# Altium PCB DCI_MB1137_Original.PcbDoc (part 2 of 4) (continued)
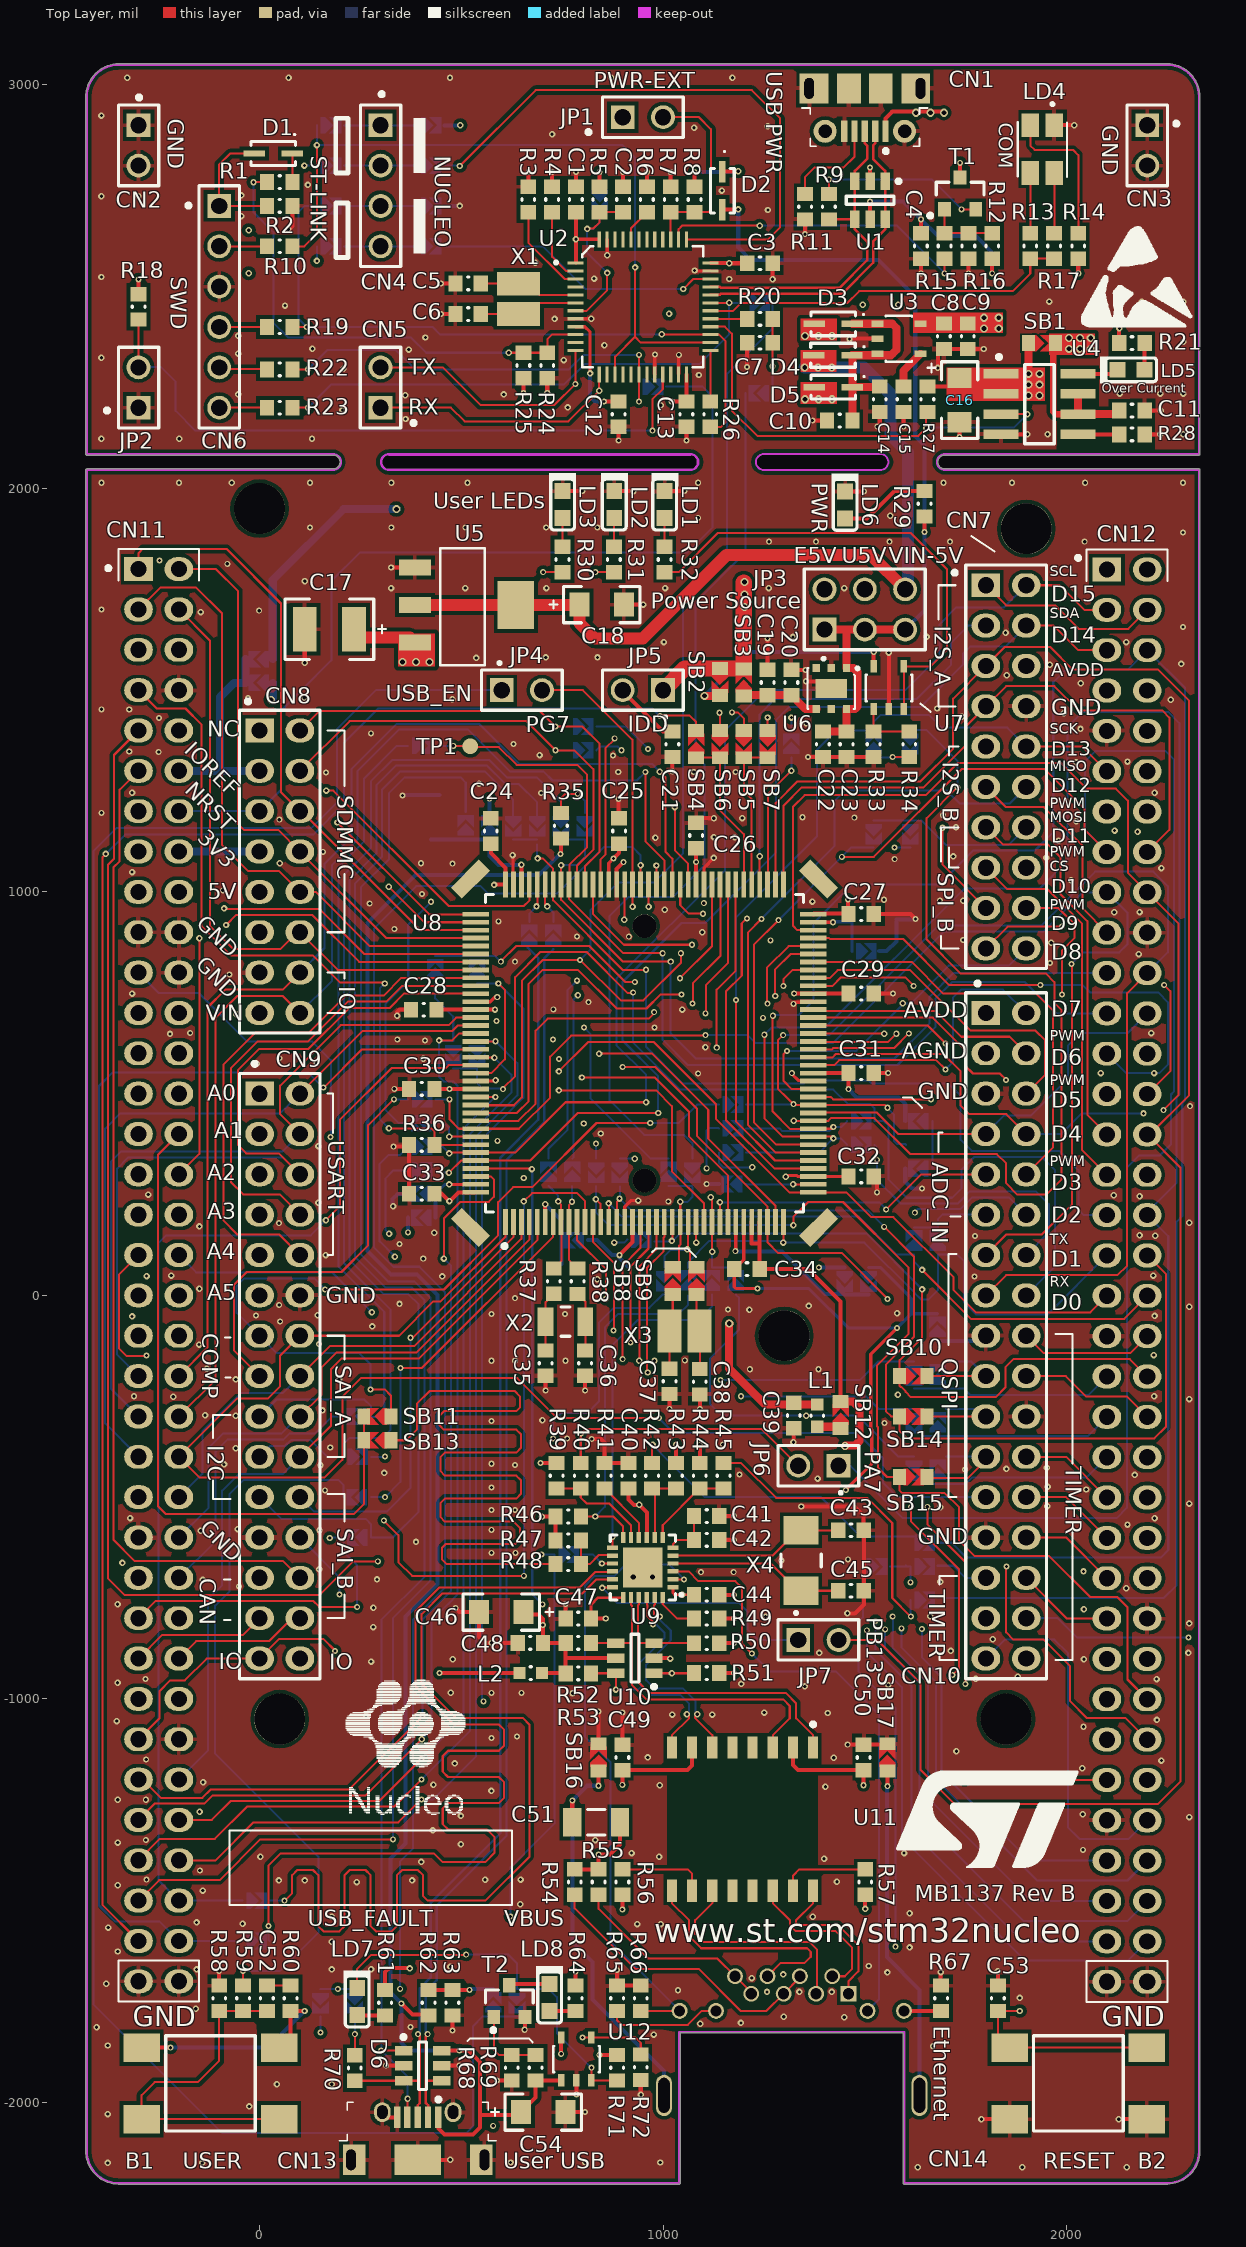
[diagram p0: Top Layer view]
## Nets (pads, with @x,y where several pads share a name; then routed paths per layer and width w, separated by ;. In a path a pad name is that pad's centre, name@x,y a point inside that pad or via, vN(x,y) a via of type N, cw(c..) or ccw(c..) an arc to the next point about the centre after c; other vN are vias at no path point) (continued)
  other v2: 702,-817
NetC45_1: C45.1 U9.4 X4.2 | length 451.9
  Top Layer w5: U9.4@1024.8,-664.47 1267.21,-664.47 1334.54,-731.8 X4.2@1342,-731.8 ; X4.2@1324.8,-731.8 1333,-731.8 1333.2,-732 C45.1@1431.55,-732
NetC51_2: C51.2 R54.1 R55.1 R56.1 R57.1 | length 285.4
  Top Layer w10: R54.1@781,-1422.5 R55.1@840.33,-1422.5 v2(840.33,-1386) 868.07,-1386 893.06,-1361.02 C51.2@893.06,-1306 ; v2(899,-1522) R56.1@899,-1485.5 ; v1(1501,-1520.5) R57.1@1501,-1485.5
NetC52_1: C52.1 R60.2 | length 59
  Top Layer w5: C52.1@18,-1710.5 R60.2@77,-1710.5
NetC54_1: C54.1 CN13.1 D6.6 R35.1 R62.1 R68.1 U12.1 | length 4440.2
  Top Layer w10: v2(351.25,-1755) 378.91,-1782.66 417.16,-1782.66 R62.1@419,-1784.5 ; CN13.1@443.18,-2037 443.18,-2064.18 458.4,-2079.4 529,-2079.4 546,-2062.4 546,-2031 ; D6.6@451.24,-1871.6 v2(495,-1871.6) 517.6,-1871.6 546,-1900 546,-2031 ; v2(746.14,1094) 747,1094.86 R35.1@747,1132.5 ; U12.1@747.6,-1945.15 747.25,-1945.5 R68.1@684,-1945.5 684,-1988 C54.1@648,-2024 641,-2031 546,-2031
  Bottom Layer w10: v2(495,-1871.6) 369.85,-1871.6 351.25,-1853 v2(351.25,-1755) 324.1,-1727.85 324.1,-1395.9 361.5,-1358.5 361.5,-795.27 441.5,-715.27 441.5,0.75 390.08,52.17 325.46,52.17 267.4,110.23 267.4,923.4 386,1042 692.02,1042 744.02,1094 v2(746.14,1094)
NetC55_1: C55.1 SB123.1 SB124.1 U8.106 | length 323.1
  Top Layer w10: U8.106@648.88,1018.31 v1(648.88,1067.12)
  Bottom Layer w10: C55.1@425,1130 510.75,1130 SB123.1@511,1130.25 SB124.1@570,1130.25 570,1089 591.88,1067.12 v1(648.88,1067.12)
NetC56_1: C56.1 SB129.1 U8.71 | length 169.8
  Top Layer w8: U8.71@1372.31,924.8 v2(1420.9,924.8)
  Bottom Layer w8: v2(1420.9,924.8) 1422.09,926 1468.5,926 1468.5,853.25 SB129.1@1468.25,853
NetCN1_4: CN1.4 R11.1 | length 248.4
  Top Layer w5: R11.1@1352,2729.5 1352,2771.94 1375.06,2795 1447,2795 1474.41,2822.41 CN1.4@1474.41,2885
NetCN4_1: CN4.1 SB101.2 SB102.1 | length 180.5
  Bottom Layer w5: SB101.2@209.75,2900 CN4.1@300,2900 SB102.1@390.25,2900
NetCN4_2: CN4.2 SB103.2 SB104.1 | length 180.5
  Bottom Layer w5: SB103.2@209.75,2800 SB104.1@390.25,2800
NetCN4_3: CN4.3 SB105.2 SB106.1 | length 180.5
  Bottom Layer w5: SB105.2@209.75,2700 CN4.3@300,2700 SB106.1@390.25,2700
NetCN4_4: CN4.4 SB108.2 SB109.1 | length 180.5
  Bottom Layer w5: SB108.2@209.75,2600 CN4.4@300,2600 SB109.1@390.25,2600
NetCN5_1: CN5.1 SB5.1 U2.13 | length 1790
  Top Layer w5: CN5.1@299.69,2200 474,2200 508,2166 765.46,2166 v1(841.73,2242.27) U2.13@841.73,2282.68 ; v2(1171,1445) 1185,1445 1200,1430 SB5.1@1200,1400
  Signal w5: v1(841.73,2242.27) 1120,2242.27 1171,2191.27 v2(1171,1445)
NetCN5_2: CN5.2 SB6.1 U2.12 | length 1784.1
  Top Layer w5: CN5.2@299.69,2300 454,2300 547,2207 731,2207 v2(782.5,2258.5) 782.68,2258.68 U2.12@782.68,2341.73 ; SB6.1@1141,1400 v2@1141,1443.93
  Signal w5: v2(782.5,2258.5) 782.5,2224.5 828,2179 1086,2179 1141.07,2123.93 v2@1141.07,1444
  other v2: 1140,1444
NetCN6_1: CN6.1 D1.1 R2.1 | length 320.4
  Top Layer w5: D1.1@-12.24,2829.94 -73,2829.94 -100,2802.94 CN6.1@-100,2700 R2.1@18.5,2700
NetCN6_2: CN6.2 R10.1 | length 117
  Top Layer w5: CN6.2@-100,2600 R10.1@17,2600
NetCN6_4: CN6.4 R19.1 | length 116.4
  Top Layer w5: CN6.4@-100,2400 15,2400 R19.1@16,2401
NetCN6_5: CN6.5 R22.1 | length 118.4
  Top Layer w5: CN6.5@-100,2300 -95.5,2295.44 R22.1@16.56,2295.44
NetCN6_6: CN6.6 R23.1 | length 120
  Top Layer w5: CN6.6@-100,2200 19.94,2199.94 R23.1@20,2200
NetCN7_14: CN7.14 SB121.1 SB122.1 | length 421.8
  Bottom Layer w5: SB121.1@1522,1177.5 SB122.1@1612.75,1177.5 ; SB122.1@1613.15,1177.9 SB122.1@1612.75,1177.5 ; CN7.14@1900,1160 1856.51,1116.51 1700.72,1116.51 1639.72,1177.5 SB122.1@1612.75,1177.5
NetCN9_7: CN9.7 SB146.1 SB165.1 SB174.1 | length 3002.9
  Signal w5: CN9.7@0,200 54.5,254.5 668.5,254.5 790,376 v2(834,376) 1281,376 1405,252 1405,-248 v1(1355,-298)
  Bottom Layer w5: SB146.1@834,338.75 834,374.94 835.06,376 v2(834,376) ; SB165.1@1180.53,2.06 1188.49,-5.9 1188.49,-84.53 1116,-157.02 1116,-268.53 1145.47,-298 v1(1355,-298) 1482,-298 1583.5,-399.5 SB174.1@1622,-399.5
NetCN9_9: CN9.9 SB143.1 SB147.1 SB150.1 SB171.1 | length 2788.9
  Signal w5: CN9.9@0,100 42.97,142.97 310.97,142.97 v1(321,153) 361,193 786,193 804,211 804,290 852.75,338.75 v1(929.75,338.75) 1199.99,338.75 v1(1221.25,317.49) 1266.25,272.49 1266.25,150.61 1193,77.36 v2(1193,-250)
  Bottom Layer w5: v1(321,153) 311.6,162.4 311.6,289.6 331.5,309.5 SB143.1@368.25,309.5 ; SB147.1@893,338.75 v1(929.75,338.75) ; SB150.1@1138.25,354 1138.25,328.5 1149.26,317.49 v1(1221.25,317.49) ; v2(1193,-250) 1503.2,-250 1534.7,-281.5 SB171.1@1622,-281.5
NetCN9_11: CN9.11 SB138.1 SB140.1 SB157.1 SB167.1 | length 2863.1
  Signal w5: CN9.11@0,0 42.03,42.03 281.78,42.03 v1(335.56,95.81) 366.81,95.81 404,133 879,133 1061,315 v2(1108,315) 1154,315 1219,250 1219,200.63 1142.1,123.73 v2(1142.1,-209.8)
  Bottom Layer w5: v1(335.56,95.81) 297.7,133.67 297.7,325.95 320.25,348.5 348.25,348.5 SB138.1@368.25,368.5 ; v1(879,131) 904.25,131 SB157.1@911.25,138 ; v2(1108,315) 1108,409 1114,415 1137.25,415 SB140.1@1138.25,414 ; v2(1142.1,-209.8) 1487.95,-209.8 1534,-163.75 SB167.1@1621.75,-163.75
NetCN9_13: CN9.13 SB11.1 SB137.1 | length 2074
  Top Layer w5: v2(162.7,14.7) 457.06,14.7 591.11,148.75 591.11,231.11 628.5,268.5 676.3,268.5 835.06,427.26 v1(968,427.26) ; v2(275,-233) 310,-233 325.75,-248.75 SB11.1@325.75,-299.97
  Bottom Layer w5: v2(162.7,14.7) 135.37,42.03 -37.97,42.03 -57,23 -57,-43 CN9.13@0,-100 42.97,-142.97 246.97,-142.97 275,-171 v2(275,-233) ; v1(968,427.26) 1039,427.26 1084.74,473 SB137.1@1138.25,473
NetCN9_15: CN9.15 JP6.2 R40.2 SB136.1 | length 2558.3
  Top Layer w5: CN9.15@0,-200 -63,-137 -63,27 -32.03,57.97 202.97,57.97 269.13,124.13 269.13,422.08 v2(333,485.95) ; R40.2@796.01,-415.5 v2(796.01,-342.01) 806.72,-331.3 1244.3,-331.3 JP6.2@1335,-422
  Signal w5: CN9.15@0,-200 56,-256 710,-256 v2(796.01,-342.01)
  Bottom Layer w5: v2(333,485.95) v2(333,485.95) SB136.1@368.25,486
NetCN9_17: CN9.17 SB115.1 SB169.1 | length 2152.3
  Bottom Layer w5: CN9.17@0,-300 42.03,-257.97 117.41,-257.97 ; 117.44,-258 259.84,-258 275.75,-273.91 SB169.1@275.75,-300 276.75,-301 299.69,-301 309,-291.69 309,-40.97 195.4,72.63 195.4,1061.4 259,1125 259,1281 340,1362 SB115.1@368.25,1362
NetCN9_19: CN9.19 SB128.1 SB170.1 | length 2663.5
  Bottom Layer w5: CN9.19@0,-400 26.79,-373.21 63,-373.21 78.24,-357.97 126,-357.97 168.03,-400 SB170.1@208.25,-400 208.25,-367.75 223.18,-352.82 304.68,-352.82 325,-332.5 325,-35.76 209.3,79.94 209.3,1042.3 275.7,1108.7 275.7,1274.17 328.43,1326.9 569.42,1326.9 613.32,1283 688,1283 747,1224 SB128.1@747,1197.75 SB128.1@747,1185
NetCN9_21: CN9.21 SB126.1 SB176.1 | length 2908.7
  Bottom Layer w5: CN9.21@0,-500 54,-554 263,-554 276.75,-567.75 SB176.1@276.75,-600 330,-600 394,-536 394,-22 369,3 307.45,3 223.2,87.25 223.2,1029.2 289.6,1095.6 289.6,1264.6 338,1313 563.66,1313 608.66,1268 641.73,1268 688,1221.73 SB126.1@688,1197.75 SB126.1@688,1185
NetCN10_11: CN10.11 SB158.2 SB159.2 | length 202.8
  Bottom Layer w5: SB158.2@1622,168.75 SB159.2@1681,168.75 1681,189 1691.99,199.99 CN10.11@1800,200
NetCN10_14: CN10.14 SB130.2 SB131.2 SB151.2 | length 2238.3
  Top Layer w5: v2(598,827) 598,827.69 636.31,866 816.73,866 905.73,777 v2(930,777)
  Signal w5: v2(930,777) 948,759 948,702.27 967.37,682.9 985.42,682.9 ; 985.52,683 985.42,682.9 ; v2(1530,336) 1530,599 1463,666 1063,666 1046.1,682.9 985.42,682.9
  Bottom Layer w5: SB130.2@435,840.75 SB131.2@539,840.75 584.25,840.75 v2(598,827) ; SB151.2@1523.75,373 1530,366.75 v2(1530,336) 1530,286.97 1589.18,227.79 1729.82,227.79 1760,257.97 1924.03,257.97 1956,226 1956,156 CN10.14@1900,100
NetCN10_16: CN10.16 SB134.2 SB135.2 SB141.2 | length 2666.2
  Top Layer w5: v2(603,511) 603,513 633.5,543.5 633.5,788.5 696,851 810.52,851 912.52,749 925,749 926,750 v2(926,751)
  Bottom Layer w5: SB134.2@480,562.5 SB135.2@539,562.5 539,526 552.77,512.23 601.77,512.23 v2(603,511) ; v2(926,751) 926,626.47 1042.47,510 1422.1,510 1457.5,474.6 1513.15,474.6 1523.75,464 SB141.2@1523.75,432 1547,432 1558.97,420.03 1558.97,286.69 1603.66,242 1716.49,242 1739.03,264.54 1739.03,311 1771,342.97 1939.03,342.97 1971,311 1971,71 CN10.16@1900,0
NetCN10_19: CN10.19 SB10.2 SB168.2 | length 260.3
  Top Layer w5: SB10.2@1653.75,-200 CN10.19@1800,-200
  Bottom Layer w5: 1701,-163.75 1763.75,-163.75 CN10.19@1800,-200
NetCN10_21: CN10.21 SB14.2 SB172.2 | length 252.9
  Top Layer w5: SB14.2@1653.75,-300 CN10.21@1800,-300
  Bottom Layer w5: 1701,-281.5 1781.5,-281.5 CN10.21@1800,-300
NetCN10_23: CN10.23 SB15.2 SB175.2 | length 272.8
  Top Layer w5: SB15.2@1653.75,-450 1655.75,-452 1756.28,-452 1800,-408.28 CN10.23@1800,-400
  Bottom Layer w5: 1701,-399.25 1799.25,-399.25 CN10.23@1800,-400
NetCN10_29: CN10.29 SB179.2 | length 131.7
  Bottom Layer w5: SB179.2@1680.75,-670 1719,-670 1749,-700 CN10.29@1800,-700
NetCN11_25: CN11.25 SB144.2 | length 1819.5
  Signal w5: CN11.25@-300,600 -248,652 -248,832.03 -223,857.03 -176.38,857.03 ; -176.35,857 -23.65,857 ; -23.62,857.03 23.62,857.03 ; 23.65,857 76.35,857 ; 76.38,857.03 123.62,857.03 ; 123.65,857 531.21,857 553.21,879 688,879 v1(786.68,780.32)
  Bottom Layer w5: SB144.2@716,338.75 716,363.13 763.5,410.63 763.5,757.15 v1(786.68,780.32)
NetCN11_27: CN11.27 SB145.2 | length 1819.8
  Signal w5: CN11.27@-300,500 -250,550 -179,550 -149,580 -149,784 -91,842 -17.44,842 ; -17.41,842.03 17.41,842.03 ; 17.44,842 82.56,842 ; 82.59,842.03 117.41,842.03 ; 117.44,842 537.43,842 559.43,864 669,864 v1(789,744)
  Bottom Layer w5: SB145.2@775,339 778.5,342.5 778.5,733.5 v1(789,744)
NetCN11_29: CN11.29 SB148.2 | length 1864.5
  Signal w5: CN11.29@-300,400 -254,446 -187,446 -114,519 -114,699 -70.97,742.03 117.41,742.03 ; 117.44,742 169,742 221.2,794.2 673.8,794.2 v2(804,664)
  Bottom Layer w5: v2(804,664) 820,648 820,488.5 969.75,338.75 SB148.2@1013.7,338.75
NetCN11_31: CN11.31 SB163.2 | length 2302.2
  Signal w5: CN11.31@-300,300 -354.83,245.17 -354.83,-321.17 -322,-354 727.12,-354 v2(727.62,-354.5)
  Bottom Layer w5: v2(727.62,-354.5) 727.62,-312.38 749,-291 813,-291 841,-263 841,-68 878,-31 966,-31 999.25,2.25 SB163.2@1003,2.25
NetCN11_69: CN11.69 SB4.2 | length 4469.8
  Top Layer w5: v1(-381,1094) -389.73,1085.27 -389.73,-1510.27 CN11.69@-300,-1600 ; v2@993,1437 1066,1437 1082,1421 SB4.2@1082,1400
  Bottom Layer w5: v1(-381,1094) -332.97,1142.03 133.03,1142.03 209,1218 209,1369 294.5,1454.5 973.5,1454.5 v2(992,1436)
NetCN12_1: CN12.1 SB117.2 | length 1527.8
  Signal w5: v2(896.7,1351) 921.7,1376 1151,1376 1261,1486 1630,1486 1720,1576 1720,1673 1762,1715 1947,1715 2031,1799 CN12.1@2100,1799 CN12.1@2092,1807
  Bottom Layer w5: SB117.2@834.75,1351 843.69,1359.94 887.76,1359.94 v2(896.7,1351) ; CN12.1@2098.97,1800.03 CN12.1@2100,1799
NetCN12_2: CN12.2 SB116.2 | length 1629.1
  Signal w5: v2(963,1354.25) 1149.25,1354.25 1267.1,1472.1 1365.76,1472.1 1635.76,1472.1 1712.9,1549.24 1733.9,1570.24 1733.9,1570.9 1734,1571 1734,1667.34 1767.66,1701 2000,1701 2047,1748 2149,1748 CN12.2@2200,1799
  Bottom Layer w5: SB116.2@835,1410 907.25,1410 v2(963,1354.25)
NetCN12_10: CN12.10 SB7.1 | length 1051.4
  Top Layer w5: SB7.1@1259,1400 v1(1259,1432.25)
  Signal w5: v1(1259,1432.25) 1283.75,1457 1645,1457 1698,1510 1973,1510 2035,1448 2151,1448 CN12.10@2200,1399
NetCN13_2: CN13.2 D6.4 SB133.1 | length 3070.8
  Top Layer w6.1: v2(416.75,-1831) 412.3,-1835.45 412.3,-1947 ; CN13.2@417.59,-2037 417.59,-2007.15 412.3,-2001.85 412.3,-1947 ; D6.4@451.24,-1946.4 412.89,-1946.4 412.3,-1947
  Bottom Layer w6.1: v2(416.75,-1831) 412.3,-1826.55 412.3,-1723.7 439,-1697 439,-1512.21 612,-1339.21 612,335.57 705.78,429.36 705.78,835.78 SB133.1@728,858
NetCN13_3: CN13.3 D6.3 R70.1 SB132.1 | length 3198.1
  Top Layer w6.1: R70.1@236,-1946.5 236.09,-1946.4 D6.3@356.76,-1946.4 396.89,-1946.4 397.3,-1946 ; CN13.3@392,-2037 392,-2007.15 397.3,-2001.85 397.3,-1946 ; v2(392.85,-1831) 397.3,-1835.45 397.3,-1946
  Bottom Layer w6.1: v2(392.85,-1831) 397.3,-1826.55 397.3,-1717.49 424,-1690.79 424,-1506 597,-1333 597,341.79 690.78,435.57 690.78,835.78 SB132.1@668.57,858 SB132.1@665.06,861.5
NetCN13_4: CN13.4 D6.1 SB125.1 | length 3971
  Top Layer w5: v2(301,-1872) 301.4,-1871.6 D6.1@356.76,-1871.6 ; CN13.4@366.41,-2037 366.41,-1991.59 v2(367,-1991)
  Bottom Layer w5: v2(301,-1872) 302.73,-1872 367,-1936.27 v2(367,-1991) ; v2@301.69,-1871.31 301.69,-804.31 409,-697 409,-12.71 376.62,19.67 312,19.67 237.1,94.57 237.1,1021.1 303.5,1087.5 303.5,1253.5 348,1298 559,1298 628.42,1228.58 SB125.1@628.42,1197.75 SB125.1@628.42,1185
NetCN14_1: CN14.1 U11.16 | length 404.7
  Top Layer w5.1: U11.16@1372,-1475.56 1372,-1506.15 1329.5,-1548.65 1329.5,-1554.86 1335.14,-1560.5 1433.93,-1560.5 1484,-1610.57 1484,-1675.09 1459.55,-1699.54 CN14.1@1459.55,-1730.67
NetCN14_2: CN14.2 U11.14 | length 389.2
  Top Layer w5.1: U11.14@1272,-1475.56 1272,-1506.15 1314.5,-1548.65 1314.5,-1561.08 1328.92,-1575.5 1427.71,-1575.5 1468,-1615.79 1468,-1669.88 1450.52,-1687.36 CN14.2@1419.39,-1687.36
NetCN14_3: CN14.3 U11.11 | length 552.2
  Top Layer w5.1: U11.11@1122,-1475.56 1122,-1506.15 1079.5,-1548.65 1079.5,-1582 1100.5,-1603 1307.41,-1603 1322.31,-1603 1363.21,-1603 1381,-1620.79 1381,-1728.91 CN14.3@1379.24,-1730.67
NetCN14_4: CN14.4 CN14.5 R54.2 | length 734.5
  Top Layer w5: R54.2@781,-1485.5 781,-1519 931,-1669 1088,-1669 1192.5,-1773.5 1256.09,-1773.5 CN14.5@1298.92,-1730.67 1339.08,-1690.51 CN14.4@1339.08,-1687.36
NetCN14_6: CN14.6 U11.9 | length 587.1
  Top Layer w5.1: U11.9@1022,-1475.56 1022,-1506.15 1064.5,-1548.65 1064.5,-1588.21 1094.29,-1618 1100.5,-1618 1132.79,-1618 1357,-1618 1366,-1627 1366,-1639 1350.94,-1654.06 1292.06,-1654.06 CN14.6@1258.76,-1687.36
NetCN14_7: CN14.7 CN14.8 R55.2 | length 502.1
  Top Layer w5: R55.2@840.33,-1485.5 840.33,-1520.33 963.37,-1643.37 1134.46,-1643.37 CN14.8@1178.45,-1687.36 1218.61,-1727.52 CN14.7@1218.61,-1730.67
NetCN14_9: CN14.9 R67.1 | length 92.2
  Top Layer w10: CN14.9@1596.95,-1773.19 1597.26,-1773.5 R67.1@1689,-1773.5
NetCN14_10: CN14.10 U9.3 | length 1484.4
  Top Layer w5: U9.3@1024.8,-684.16 1063.16,-684.16 1087,-708 1179,-708 1196,-725 1196,-863.53 v2(1220,-887.53)
  Bottom Layer w5: v2(1220,-887.53) 1264.47,-932 1428.3,-932 1535,-1038.7 1535,-1744.98 CN14.10@1506.8,-1773.19
NetCN14_11: CN14.11 R65.1 | length 287.7
  Top Layer w5: R65.1@886,-1773.5 886,-1797 897,-1808 1061.56,-1808 1096.38,-1773.19 CN14.11@1131.2,-1773.19
NetCN14_12: CN14.12 R66.1 U9.2 | length 1644.8
  Top Layer w5: R66.1@944.68,-1773.5 944.99,-1773.19 CN14.12@1041.05,-1773.19 1040.74,-1773.5 R66.1@953.01,-1773.5 ; U9.2@1024.8,-703.84 v2(1052,-703.84)
  Bottom Layer w5: CN14.12@1041.05,-1773.19 870,-1602.14 870,-1157.58 807,-1094.58 807,-719 831,-695 880,-695 908,-667 1015.16,-667 v2(1052,-703.84)
NetD1_2: D1.2 R1.1 | length 71.1
  Top Layer w5: D1.2@81.24,2830 81.5,2829.75 R1.1@81.5,2759
NetD2_2: D2.2 R8.1 | length 187.1
  Top Layer w10: R8.1@1078,2747.5 v2(1078,2784) ; D2.2@1147,2785.24 v1@1185.61,2785.24
  Bottom Layer w5: v1@1184.43,2787.94 v1(1186.37,2786)
  Bottom Layer w10: v2(1078,2784) 1184.37,2784 v1(1186.37,2786)
NetJP1_2: JP1.2 R7.1 R8.2 U2.39 | length 499.4
  Top Layer w5: JP1.2@1000,2920 1089,2920 1118.46,2890.54 1118.46,2691 1111.96,2684.5 R8.2@1078,2684.5 ; U2.39@1018.9,2617.27 U2.39@1018.9,2617.32 R7.1@1018.9,2684.34 ; R7.1@1019,2684.45 R8.2@1078,2684.45
NetJP2_2: JP2.2 R18.2 U2.21 | length 1647
  Top Layer w5: JP2.2@-300,2300 JP2.2@-300,2300 R18.2@-300,2414.45 ; v2(973.62,2143) 973.62,2220.62 999.21,2246.21 U2.21@999.21,2282.68
  Bottom Layer w5: JP2.2@-301,2301 -245,2301 -208,2264 -208,2192 -159,2143 v2(973.62,2143)
NetJP4_1: JP4.1 SB184.1 SB185.2 | length 5589.1
  Bottom Layer w5: JP4.1@600,1500 288,1500 192,1404 192,1222.02 127.95,1157.97 -355.03,1157.97 -411.9,1101.1 -411.9,-1757.1 -93,-2076 512,-2076 529,-2059 529,-1811 553.31,-1786.69 SB184.1@579,-1786.69 579.06,-1786.75 SB185.2@638,-1786.75
NetJP7_1: JP7.1 U9.18 | length 568.1
  Top Layer w5: v1(849,-725) 849,-723.53 U9.18@875.2,-723.53
  Bottom Layer w5: v1(849,-725) 886.5,-762.5 1188.49,-762.5 1209,-783 1209,-827.47 1235.53,-854 JP7.1@1309.94,-854
NetL1_2: L1.2 SB12.1 | length 60
  Top Layer w20: L1.2@1382,-325.5 1435.2,-325.5 SB12.1@1440,-330.3
NetLD1_1: LD1.1 R32.2 | length 71
  Top Layer w5: R32.2@1004,1855.5 LD1.1@1004,1926.54
NetLD2_1: LD2.1 R31.2 | length 70.7
  Top Layer w5: LD2.1@877.76,1926.07 878,1925.83 R31.2@878,1855.5
NetLD3_1: LD3.1 R30.2 | length 71.1
  Top Layer w5: R30.2@750.75,1855.46 LD3.1@750.75,1926.53
NetLD4_2: LD4.2 R17.2 | length 149.7
  Top Layer w5: R17.2@1969,2632.5 1969.53,2633.02 LD4.2@1969.53,2781.94
NetLD4_3: LD4.3 R13.2 | length 149.6
  Top Layer w5: R13.2@1910,2632.5 1910.47,2632.97 LD4.3@1910.47,2781.94
NetLD4_4: LD4.4 R14.1 | length 372.3
  Top Layer w5: LD4.4@1910.47,2900.06 1910.47,2849.53 1921,2839 2016,2839 2029,2826 R14.1@2029,2632.5
NetLD5_1: LD5.1 R21.2 | length 66
  Top Layer w10: LD5.1@2193.5,2294.03 R21.2@2193.5,2360
NetLD5_2: LD5.2 U4.8 | length 98.1
  Top Layer w10: U4.8@2028.47,2284 LD5.2@2126.54,2284
NetLD6_1: LD6.1 R29.1 | length 225
  Top Layer w10: LD6.1@1451.04,1925.86 1505.86,1925.86 1573.5,1993.5 R29.1@1648,1993.5
NetLD7_1: LD7.1 R61.1 | length 69.4
  Top Layer w10: LD7.1@242,-1783.46 243.03,-1784.5 R61.1@311,-1784.5
NetLD7_2: LD7.2 R71.2 SB185.1 U12.3 | length 935.3
  Top Layer w5: LD7.2@242,-1707.53 242,-1669 276.47,-1634.53 511.47,-1634.53 v2(512,-1634) ; v2(822.4,-1914) U12.3@822.4,-1945.15 822,-1945.55 885.95,-1945.55 R71.2@886,-1945.5
  Bottom Layer w5: v2(512,-1634) 617,-1634 638,-1655 SB185.1@638,-1719.25 717.25,-1719.25 737,-1739 737,-1828.6 v2(822.4,-1914)
NetLD8_1: LD8.1 R64.1 | length 64
  Top Layer w10: LD8.1@719.01,-1773.47 R64.1@782.97,-1773.47
NetLD8_2: LD8.2 T2.3 | length 101.3
  Top Layer w10: T2.3@619.01,-1709.63 622.1,-1706.54 LD8.2@719.01,-1706.54
NetR3_2: R3.2 U2.3 | length 229.5
  Top Layer w5: R3.2@666,2684.5 666,2608.94 756.04,2518.9 U2.3@782.68,2518.9
NetR4_2: R4.2 U2.2 | length 183.1
  Top Layer w5: R4.2@725,2684.77 R4.2@725,2684.5 725,2574 760.48,2538.53 U2.2@782.68,2538.58
NetR6_2: R6.2 U2.44 | length 83.7
  Top Layer w5: U2.44@920.47,2617.27 920.47,2644.61 R6.2@960.32,2684.45
NetR9_2: R9.2 T1.2 | length 427.9
  Top Layer w5: R9.2@1411,2729.5 v2@1411,2763 ; v2(1739.93,2691.63) T1.2@1774.58,2691.63
  Bottom Layer w5: v2(1411,2766) 1665.56,2766 v2(1739.93,2691.63)
NetR12_1: R12.1 R15.1 R16.2 T1.1 | length 176.9
  Top Layer w5: T1.1@1697.7,2691.35 R15.1@1697.7,2632.5 R12.1@1815.7,2632.5
NetR20_1: R20.1 U2.29 | length 90.8
  Top Layer w5: U2.29@1117.32,2420.47 R20.1@1208.09,2420.41
NetR27_2: R27.2 U2.28 U4.3 | length 1130.3
  Top Layer w5: U2.28@1117.32,2400.79 1153.11,2400.79 1170.53,2383.37 1170.53,2192.97 1233.5,2130 1632.5,2130 v2(1652,2149.5) R27.2@1652,2186 ; U4.3@1837.53,2184 v1(1903,2184)
  Bottom Layer w5: v2@1655,2150.6 1869.6,2150.6 v1(1903,2184)
NetR28_2: R28.2 U4.5 | length 92.8
  Top Layer w10: U4.5@2028.47,2134 R28.2@2121.31,2134
NetR30_1: R30.1 SB118.2 | length 1127.5
  Top Layer w5: v2(702.94,1792.47) R30.1@750.75,1792.47
  Signal w5: v2(702.94,1792.47) 809,1686.41 809,1364 855,1318 1204,1318 v1(1318,1432)
  Bottom Layer w5: SB118.2@1318,1400 v1(1318,1432)
NetR31_1: R31.1 SB139.2 | length 1848.6
  Top Layer w5: v2@832.03,1792.5 R31.1@878,1792.5 R31.1@888.5,1792.5
  Signal w5: v2(425,975.63) 516,1066.63 516,1699 662,1845 779.47,1845 v2(832,1792.47)
  Bottom Layer w5: SB139.2@368.5,427 344.75,427 312,459.75 312,722 368.5,778.5 368.5,919.13 v2(425,975.63)
NetR32_1: R32.1 U7.3 U7.4 | length 1205
  Top Layer w5: R32.1@1006,1792.5 1038.5,1792.5 1135.5,1889.5 1613.5,1889.5 1704,1799 1704,1600 1663.15,1559.15 U7.4@1596.9,1559.15 U7.3@1596.9,1452.85
NetR33_1: R33.1 R34.1 U7.1 | length 143.4
  Top Layer w5: U7.1@1522.09,1452.85 1522.09,1397.59 R33.1@1522,1397.5 R34.1@1610,1397.5
NetR34_2: R34.2 SB119.1 SB120.2 | length 132.5
  Top Layer w5: v2(1569,1334.5) R34.2@1610,1334.5
  Bottom Layer w5: SB119.1@1522,1332.5 1611,1332.5 SB120.2@1612.75,1334.25
NetR35_2: R35.2 SB127.1 | length 138
  Top Layer w5: R35.2@747,1182.5 R35.2@747.25,1182.75 ; R35.2@747,1195.5 747,1232 758,1243 v2(788.66,1243)
  Bottom Layer w5: v2(788.66,1243) 789,1243 806,1226 SB127.1@806,1197.75 SB127.1@806,1195.5
NetR39_2: R39.2 R40.1 U9.11 | length 274.4
  Top Layer w5: R39.2@736,-478.5 R40.1@796.01,-478.5 ; R40.1@796.01,-469.5 R40.1@796.01,-478.5 ; U9.11@920.47,-599.51 920.47,-569.47 866.81,-515.81 810.81,-515.81 796.01,-501.01 R40.1@796.01,-478.5
NetR41_1: R41.1 U9.10 | length 165.3
  Top Layer w5: R41.1@855,-469.5 R41.1@855,-478.5 940.16,-563.65 U9.10@940.16,-599.51
NetR42_1: R42.1 R43.2 U9.8 | length 180
  Top Layer w5: R42.1@973,-478.5 R42.1@979.53,-478.5 ; U9.8@979.53,-599.51 R42.1@979.53,-478.5 ; R43.2@1032,-478.5 R42.1@979.53,-478.5
NetR42_2: R42.2 SB178.1 | length 802.8
  Top Layer w5: R42.2@973,-415.5 v1@973,-370.01
  Bottom Layer w5: v1@973,-370.01 1102.99,-500 1391.47,-500 1488.47,-597 1636.25,-597
  other v1: 974,-369.63
NetR44_2: R44.2 R45.1 U9.7 | length 218.7
  Top Layer w5: U9.7@999.21,-599.51 999.21,-569.21 1089.93,-478.5 R44.2@1091,-478.5 R45.1@1150,-478.5
NetR45_2: R45.2 SB181.1 | length 770.8
  Top Layer w5: R45.2@1150,-415.5 1193.5,-415.5 1280,-502 1506,-502 1568,-564 1568,-750 v2(1614,-796)
  Bottom Layer w5: v2@1613.25,-795.23 SB181.1@1613.25,-755
NetR46_1: R46.1 SB160.1 U9.12 | length 873.1
  Top Layer w5: R46.1@796.5,-548 v1(832,-548) 877,-548 900.79,-571.79 U9.12@900.79,-599.51
  Bottom Layer w5: v1(832,-548) 856,-524 856,-79 889,-46 1038.7,-46 1062,-22.7 SB160.1@1062,0.25
NetR47_2: R47.2 R48.1 U9.14 | length 147.2
  Top Layer w5: R47.2@796.5,-607 R48.1@796.5,-666 818.01,-666 840.04,-643.97 874.38,-643.97 U9.14@875.2,-644.79
NetR48_2: R48.2 SB13.1 | length 2401.9
  Top Layer w5: SB13.1@325.75,-359 363.5,-359 390,-332.5 390,-269 422,-237 632,-237 646,-251 646,-277 636,-287 457,-287 446,-298 446,-322 456.5,-332.5 636.6,-332.5 648,-343.9 648,-378.1 636.6,-389.5 459.4,-389.5 448,-400.9 448,-435.1 459.4,-446.5 636.6,-446.5 648,-457.9 648,-492.1 636.6,-503.5 459.4,-503.5 448,-514.9 448,-549.1 459.4,-560.5 629.5,-560.5 645,-576 645,-605 634,-616 462.1,-616 452,-626.1 452,-654 464,-666 R48.2@733.5,-666
NetR49_1: R49.1 U9.24 | length 108.2
  Top Layer w5: U9.24@999.21,-749.12 999.21,-765.21 1035,-801 R49.1@1076.5,-801
NetR56_2: R56.2 U11.10 | length 219.9
  Top Layer w5: R56.2@899,-1422.5 1061.5,-1422.5 1072,-1433 U11.10@1072,-1475.56
NetR57_2: R57.2 U11.15 | length 223
  Top Layer w5: U11.15@1322,-1475.56 1322,-1438 1337.5,-1422.5 R57.2@1501,-1422.5
NetR62_2: R62.2 R63.1 SB184.2 | length 161
  Top Layer w10: R62.2@419,-1721.5 R63.1@478,-1721.5 519.5,-1721.5 v2(520,-1721)
  Bottom Layer w10: v2(520,-1721) 521.81,-1719.19 SB184.2@579,-1719.19
NetR68_2: R68.2 R69.2 T2.1 | length 190.5
  Top Layer w5: T2.1@580.42,-1788.37 580.42,-1869.42 594,-1883 594.5,-1882.5 R69.2@625,-1882.5 R68.2@684,-1882.5
NetR70_2: R70.2 SB186.2 | length 96.8
  Top Layer w5: R70.2@236,-1883.5 v2(236,-1831)
  Bottom Layer w5: v2(236,-1831) SB186.2@236,-1786.69
NetR72_2: R72.2 SB187.2 U12.4 | length 907.2
  Top Layer w5: v2(800,-1839) 800.15,-1838.85 U12.4@822.4,-1838.85 930.92,-1838.85 944.68,-1852.61 R72.2@944.68,-1881.5
  Signal w5: v2(151,-1827) 191.54,-1786.46 747.46,-1786.46 v2(800,-1839)
  Bottom Layer w5: v2(151,-1827) SB187.2@151,-1786.69
NetR73_2: R73.2 SB142.1 SB152.1 | length 118
  Bottom Layer w5: SB152.1@1667.75,314 SB142.1@1667.75,432
NetSB153_1: SB153.1 SB154.1 U8.143 | length 168.4
  Top Layer w7: v1(470,275) U8.143@535.5,275
  Bottom Layer w7: SB153.1@435.69,251.83 458.87,275 v1(470,275)
  Bottom Layer w10: SB154.1@435.69,192.83 SB153.1@435.69,251.83
NetSB155_1: SB155.1 U8.38 | length 168.9
  Top Layer w5: v1@1321,276.3 v1(1322.1,275.2) U8.38@1372.31,275.2
  Bottom Layer w5: SB155.1@1205.75,276 1207.15,274.6 1321.51,274.6 v1(1322.1,275.2)
NetSB161_2: SB161.2 SB166.2 U8.30 | length 447.1
  Top Layer w8: v2(1179.16,109.5) 1180.38,110.71 U8.30@1180.38,181.69
  Bottom Layer w10: v2(1179.16,109.5) 1179.56,109.1 1294.81,109.1 1400.86,3.04 1448.91,3.04 SB161.2@1450,1.95 SB166.2@1509,1.95
NetSB164_1: SB164.1 U9.13 | length 817.2
  Top Layer w5: U9.13@875.2,-625.1 v2(875.2,-598.2)
  Bottom Layer w5: v2(875.2,-598.2) 875.2,-122.8 937,-61 1087.16,-61 1121.53,-26.62 SB164.1@1121.53,2.06
NetSB177_2: SB177.2 U9.15 | length 85.8
  Top Layer w5: v1(848.53,-664.47) U9.15@875.2,-664.47
  Bottom Layer w5: SB177.2@798.75,-642 826.06,-642 v1(848.53,-664.47)
NetSB182_2: SB182.2 U9.17 | length 2673.1
  Top Layer w5: v2(62,-1500) 80.5,-1481.5 80.5,-1437 93.5,-1424 132.5,-1424 145.5,-1437 145.5,-1563 158.5,-1576 197.5,-1576 210.5,-1563 210.5,-1437 223.5,-1424 262.5,-1424 275.5,-1437 275.5,-1563 288.5,-1576 327.5,-1576 340.5,-1563 340.5,-1437 353.5,-1424 392.5,-1424 405.5,-1437 405.5,-1489 416.5,-1500 559.71,-1500 669,-1390.71 669,-1064 652,-1047 486,-1047 401.5,-962.5 401.5,-790.19 452.85,-738.84 799.95,-738.84 834.95,-703.84 U9.17@875.2,-703.84
  Bottom Layer w5: SB182.2@25.75,-1500 v2(62,-1500)